# Altium PCB Waffling60-MX.PcbDoc (part 2 of 3) (continued)
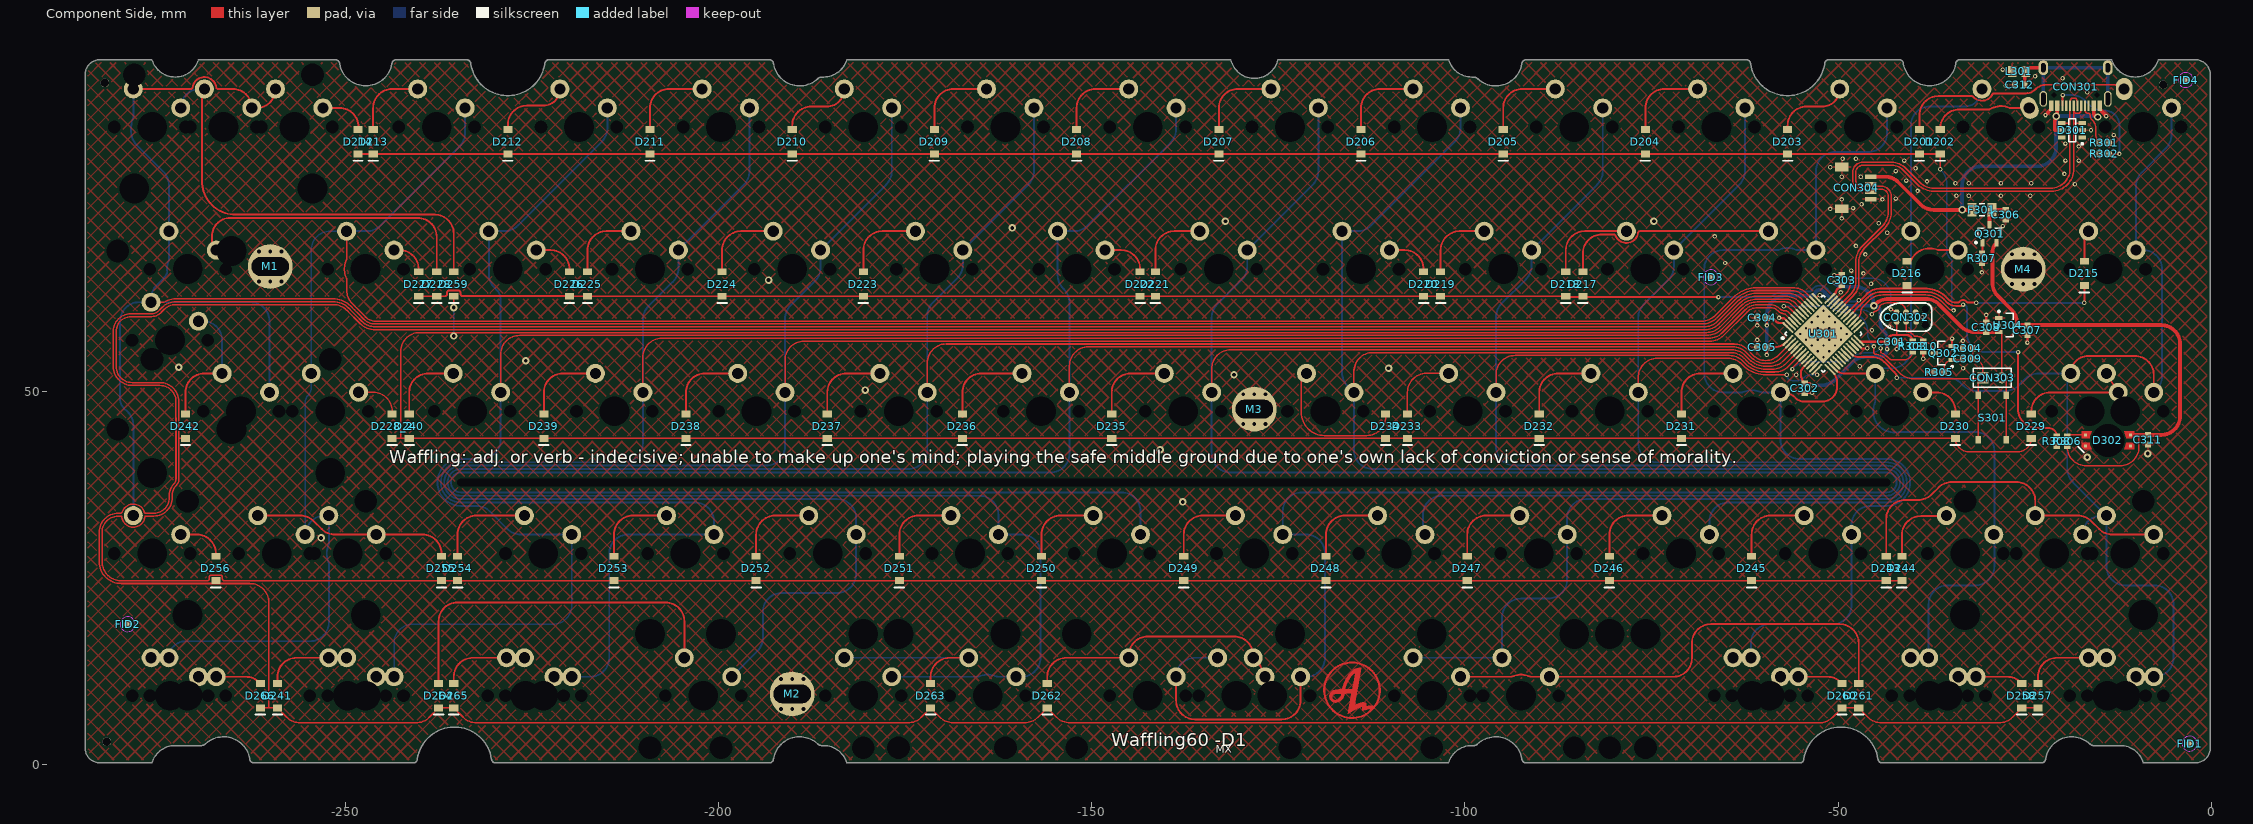
[diagram p0: Component Side view]
## Nets (pads, with @x,y where several pads share a name; then routed paths per layer and width w, separated by ;. In a path a pad name is that pad's centre, name@x,y a point inside that pad or via, vN(x,y) a via of type N, cw(c..) or ccw(c..) an arc to the next point about the centre after c; other vN are vias at no path point) (continued)
  Bottom Layer w0.254: S262.2@-145.039,14.295 S262.2@-145.039,14.478 ; S262.2@-128.363,14.295 S262.2@-128.363,14.478
NetD263_1: D263.1 S263.2 S263_1.2 | length 24.1
  Component Side w0.254: D263.1@-171.577,10.85 -171.577,11.755 cw(c-169.037,11.755) -169.037,14.295 S263.2@-166.471,14.295
  Bottom Layer w0.254: S263_1.2@-183.139,14.295 S263.2@-166.471,14.295
NetD264_1: D264.1 S264.1 | length 49
  Component Side w0.254: D264.1@-237.49,10.85 -237.49,19.177 cw(c-234.95,19.177) -234.95,21.717 -207.111,21.717 cw(c-207.111,19.177) -204.571,19.177 S264.1@-204.571,14.295
NetD265_1: D265.1 S265.2 | length 9.4
  Component Side w0.254: D265.1@-235.458,10.85 -235.458,11.755 cw(c-232.918,11.755) -232.918,14.295 S265.2@-228.383,14.295
NetD266_1: D266.1 S266.1 | length 6.2
  Component Side w0.254: S266.1@-267.277,11.755 -263.323,11.755 cw(c-263.323,9.215) -261.527,11.011 D266.1@-261.366,10.85
NetD302_4: D302.4 R306.2 R308.1 | length 4.5
  Component Side w0.254: R308.1@-20.701,42.657 -20.403,42.93 -19.602,43.684 R306.2@-19.304,43.957 cw(c-19.089,43.957) -19.089,44.172 D302.4@-16.857,44.172
NetQ301_1: Q301.1 R307.1 | length 1.5
  Component Side w0.254: R307.1@-30.734,68.468 ccw(c-30.734,68.534) -30.668,68.534 Q301.1@-30.668,69.92
NRST: C310.1 CON302.3 Q302.3 R303.2 U301.7 | length 29.1
  Component Side w0.203: v1@-56.134,52.959 v1(-56.134,52.967) -56.134,53.161 U301.7@-54.781,54.515 ; v1(-44.315,55.753) -44.315,55.692 -44.315,55.317 ccw(c-44.112,55.314) -44.196,55.129 cw(c-45.466,52.306) -43.277,54.494 -43.159,54.377 ccw(c-42.802,54.734) -42.854,54.232 ccw(c-42.802,54.734) -42.802,54.229 -41.158,54.229 ccw(c-41.158,55.357) -40.03,55.357 R303.2@-40.005,55.357 -39.682,55.655 -38.931,56.359 C310.1@-38.608,56.657 ; CON302.3@-40.894,59.309 -40.894,58.153 ccw(c-40.691,58.154) -40.717,57.953 cw(c-40.879,56.657) -40.302,57.828 cw(c-40.879,56.657) -39.796,57.386 ccw(c-39.628,57.5) -39.751,57.339 -39.37,57.339 cw(c-39.37,56.261) -38.608,57.023 C310.1@-38.608,56.657 ; Q302.3@-37.141,55.118 -37.141,55.19 ccw(c-38.608,55.19) C310.1@-38.608,56.657
  Bottom Layer w0.203: v1(-56.134,52.967) -55.859,53.242 cw(c-54.063,51.446) -54.063,53.986 -49.259,53.986 ccw(c-49.259,56.117) -48.714,54.057 ccw(c-48.767,54.253) -48.624,54.108 -48.49,54.242 ; -48.49,54.243 cw(c-46.319,52.07) -47.85,54.733 cw(c-46.319,52.07) -47.557,54.881 cw(c-46.319,52.07) -46.319,55.142 -45.593,55.142 ccw(c-45.593,56.751) -44.455,55.613 v1(-44.315,55.753)
PA0: U301.10
PA1: U301.11
PA5: U301.15
PA6: U301.16
PA7: U301.17
PA9: D215.2 D216.2 D217.2 D218.2 D219.2 D220.2 D221.2 D222.2 D223.2 D224.2 D225.2 D226.2 D227.2 D228.2 U301.30 | length 231.9
  Component Side w0.254: D227.2@-240.157,62.73 D228.2@-237.744,62.73 -236.629,62.73 ccw(c-236.629,62.984) -236.375,62.984 -236.375,63.185 cw(c-236.068,63.185) -236.068,63.492 -234.848,63.492 cw(c-234.848,63.185) -234.541,63.185 -234.541,62.992 ccw(c-234.287,62.992) -234.287,62.738 -220.447,62.738 D226.2@-219.964,62.73 D225.2@-217.551,62.73 D224.2@-199.517,62.73 D223.2@-180.594,62.73 D222.2@-143.51,62.73 D221.2@-141.478,62.73 D220.2@-105.537,62.73 D219.2@-103.251,62.73 D218.2@-86.487,62.73 -86.004,62.611 v1(-66.04,62.611) ; U301.30@-48.806,60.49 v1@-47.315,61.98 ; v1@-47.182,62.264 -46.938,62.264 -46.198,63.004 cw(c-44.402,61.208) -44.402,63.748 -38.221,63.748 cw(c-38.221,61.347) -38.008,63.739 ccw(c-37.987,63.992) -38.006,63.738 cw(c-38.28,59.834) -35.716,62.791 ; -36.704,63.417 cw(c-38.28,59.834) -35.716,62.791 ; v1(-31.496,61.849) ccw(c-31.615,61.625) -31.615,61.879 -32.585,61.879 cw(c-32.584,62.133) -32.787,61.98 ccw(c-33.274,61.618) -33.761,61.98 cw(c-33.964,62.133) -33.963,61.879 -34.006,61.879 ccw(c-34.006,61.468) -34.008,61.879 -34.255,61.879 cw(c-34.255,63.169) -35.168,62.257 -35.509,62.599 ccw(c-38.28,59.834) -35.716,62.791 ; v1(-17.018,61.849) D215.2@-17.018,64.151
  Bottom Layer w0.254: v1(-66.04,62.611) -59.124,62.611 ccw(c-59.126,62.865) -58.966,62.667 cw(c-57.008,60.268) -57.008,63.365 -53.794,63.365 ccw(c-53.795,63.619) -53.574,63.494 cw(c-52.451,62.865) -51.542,63.776 cw(c-52.451,62.865) -51.54,63.774 cw(c-52.451,62.865) -51.452,63.676 ccw(c-51.255,63.837) -51.415,63.64 cw(c-52.094,62.789) -51.326,63.56 cw(c-52.094,62.789) -51.324,63.558 cw(c-52.094,62.789) -51.323,63.557 -50.97,63.204 ; -50.969,63.203 -50.535,62.769 ; -50.534,62.768 ccw(c-48.739,64.565) -48.739,62.025 -47.515,62.025 ; v1(-31.496,61.849) v1(-17.018,61.849)
  other v1: -47.249,62.198
PA10: U301.31
PB0: U301.18
PB1: U301.19
PB4: D241.2 D256.2 D257.2 D258.2 D260.2 D261.2 D262.2 D263.2 D264.2 D265.2 D266.2 U301.40 | length 563.4
  Component Side w0.203: D266.2@-261.366,7.58 -260.223,7.58 ; -249.014,60.614 -249.538,61.138 ccw(c-251.606,59.072) -251.606,61.995 -272.709,61.995 ccw(c-272.709,59.455) -274.505,61.251 -274.848,60.908 ccw(c-274.703,60.765) -274.855,60.9 cw(c-276.02,61.925) -276.11,60.376 -278.728,60.376 ccw(c-278.728,58.034) -281.07,58.034 -281.07,53.321 ccw(c-278.53,53.321) -278.53,50.781 -274.831,50.781 cw(c-274.831,48.624) -272.674,48.624 -272.674,46.495 ccw(c-272.009,46.495) -272.672,46.446 ccw(c-272.009,46.495) -272.672,46.444 cw(c-272.874,46.428) -272.671,46.429 -272.671,45.974 -272.671,38.258 cw(c-273.589,38.258) -272.94,37.609 ccw(c-271.448,36.117) -273.143,37.374 ccw(c-271.448,36.117) -273.558,36.117 -273.558,35.748 cw(c-275.644,35.748) -274.172,34.27 cw(c-275.644,35.748) -275.644,33.662 -276.715,33.662 cw(c-276.714,33.865) -276.833,33.701 cw(c-276.714,33.865) -276.908,33.804 ccw(c-278.39,33.345) -279.854,33.859 cw(c-280.045,33.928) -279.901,33.785 -279.971,33.714 cw(c-280.115,33.858) -280.115,33.655 -280.284,33.655 -280.416,33.655 ccw(c-280.416,31.115) -282.956,31.115 -282.956,27.17 ccw(c-280.033,27.17) -280.033,24.247 -262.763,24.247 cw(c-262.763,21.707) -260.223,21.707 -260.223,7.58 ; -249.013,60.613 -248.569,60.168 -247.776,59.376 ccw(c-245.98,61.172) -247.762,59.362 ccw(c-245.98,61.172) -245.98,58.632 -67.955,58.632 ccw(c-67.955,61.172) -66.159,59.376 -63.548,61.987 cw(c-60.833,59.282) -63.538,61.997 cw(c-60.833,59.282) -62.514,62.726 ccw(c-62.604,62.908) -62.505,62.731 cw(c-61.057,60.191) -61.057,63.115 -56.69,63.115 cw(c-56.69,60.575) -54.894,62.371 U301.40@-54.074,61.55 ; -52.534,5.58 -59.309,5.58 -69.342,5.58 -104.648,5.58 -104.648,5.588 -152.912,5.588 cw(c-152.912,8.128) -154.708,6.332 D262.2@-155.956,7.58 -157.204,6.332 cw(c-159,8.128) -159,5.588 -168.533,5.588 cw(c-168.533,8.128) -170.329,6.332 D263.2@-171.577,7.58 -172.833,6.324 cw(c-174.629,8.12) -174.629,5.58 -215.265,5.58 -231.394,5.58 -232.406,5.58 cw(c-232.406,8.12) -234.202,6.324 D265.2@-235.458,7.58 D264.2@-237.49,7.58 -238.746,6.324 cw(c-240.542,8.12) -240.542,5.58 -256.028,5.58 cw(c-256.028,8.12) -257.824,6.324 D241.2@-259.08,7.58 -260.223,7.58 ; -52.534,5.58 ccw(c-52.534,8.12) -51.882,5.665 ccw(c-52.534,8.12) -51.482,5.808 ccw(c-52.534,8.12) -50.738,6.324 D260.2@-49.482,7.58 D261.2@-47.244,7.58 -45.988,6.324 ccw(c-44.192,8.12) -44.192,5.58 -28.452,5.58 ccw(c-28.452,8.12) -26.656,6.324 D258.2@-25.4,7.58 D257.2@-23.241,7.58
PB5: D242.2 D243.2 D244.2 D245.2 D246.2 D247.2 D248.2 D249.2 D250.2 D251.2 D252.2 D253.2 D254.2 D255.2 U301.41 | length 522.6
  Component Side w0.203: -277.022,32.613 cw(c-278.39,33.345) -279.922,33.102 ccw(c-280.123,33.069) -280.122,33.272 -280.416,33.272 ccw(c-280.416,31.115) -282.573,31.115 -282.573,27.17 ccw(c-280.033,27.17) -280.033,24.63 -268.43,24.63 ccw(c-268.43,24.833) -268.227,24.833 -268.227,25.085 cw(c-267.945,25.085) -267.945,25.367 -266.725,25.367 cw(c-266.725,25.085) -266.443,25.085 -266.443,24.833 ccw(c-266.24,24.833) -266.24,24.63 D255.2@-237.109,24.63 D254.2@-234.95,24.63 D253.2@-213.995,24.63 D252.2@-194.945,24.63 D251.2@-175.768,24.63 D250.2@-156.718,24.63 D249.2@-137.668,24.63 D248.2@-118.618,24.63 D247.2@-99.695,24.63 D246.2@-80.645,24.63 D245.2@-61.595,24.63 D243.2@-43.561,24.63 D244.2@-41.468,24.63 ; -277.022,32.614 ccw(c-278.39,33.345) -276.855,33.121 cw(c-276.654,33.09) -276.728,33.279 -275.644,33.279 ccw(c-275.644,35.748) -274.229,33.724 ccw(c-275.644,35.748) -273.175,35.748 -273.175,36.117 cw(c-271.448,36.117) -272.669,37.338 ccw(c-273.589,38.258) -272.288,38.258 -272.288,43.68 ; D242.2@-271.909,43.841 -271.907,43.841 D242.2@-271.399,43.68 -272.288,43.68 ; U301.41@-54.427,61.197 -55.218,61.987 ccw(c-57.014,60.191) -57.014,62.731 -61.057,62.731 ccw(c-61.057,60.191) -62.325,62.393 cw(c-62.425,62.569) -62.336,62.387 ccw(c-60.833,59.282) -63.268,61.725 ccw(c-60.833,59.282) -63.277,61.717 -66,58.993 cw(c-67.797,60.789) -67.797,58.249 -245.98,58.249 cw(c-245.98,61.172) -248.045,59.103 cw(c-245.98,61.172) -248.048,59.106 -248.522,59.58 -249.284,60.342 -249.81,60.868 ccw(c-251.606,59.072) -251.606,61.612 -272.709,61.612 ccw(c-272.709,59.455) -274.235,60.979 -274.568,60.645 ccw(c-274.424,60.502) -274.575,60.638 cw(c-276.02,61.925) -276.116,59.993 ccw(c-276.125,59.79) -276.124,59.993 -278.728,59.993 ccw(c-278.728,58.034) -279.972,59.547 ccw(c-279.843,59.39) -279.986,59.535 -280.229,59.292 ccw(c-280.084,59.149) -280.241,59.279 ccw(c-278.728,58.034) -280.687,58.034 -280.687,53.321 ccw(c-278.53,53.321) -280.165,51.915 ccw(c-280.012,52.048) -280.157,51.905 -279.946,51.694 ccw(c-279.803,51.839) -279.937,51.686 ccw(c-278.53,53.321) -278.53,51.164 -274.831,51.164 cw(c-274.831,48.624) -272.291,48.624 -272.291,46.495 ccw(c-272.009,46.495) -272.29,46.474 cw(c-272.874,46.428) -272.289,46.464 -272.288,46.452 cw(c-272.491,46.44) -272.288,46.44 -272.288,43.68
PB6: D228_2.2 D229.2 D230.2 D231.2 D232.2 D233.2 D234.2 D235.2 D236.2 D237.2 D238.2 D239.2 D240.2 D259.2 U301.42 | length 430
  Component Side w0.203: D228_2.2@-243.713,43.68 -242.57,43.68 ; v3(-235.458,61.214) D259.2@-235.458,62.73 ; U301.42@-54.781,60.843 -55.706,61.769 ccw(c-57.105,60.37) -57.105,62.348 -60.833,62.348 ccw(c-60.833,59.282) -62.998,61.454 ccw(c-60.833,59.282) -63.005,61.447 -65.842,58.61 cw(c-67.638,60.406) -67.638,57.866 -70.104,57.866 -188.341,57.866 -189.096,57.866 -196.849,57.866 ccw(c-196.852,57.662) -196.852,57.866 -231.267,57.866 -240.03,57.866 ccw(c-240.03,55.326) -242.57,55.326 -242.57,43.68 ; D229.2@-24.13,43.68 cw(c-25.9,43.68) -25.9,41.91 -32.52,41.91 cw(c-32.52,43.68) D230.2@-34.29,43.68 D231.2@-70.993,43.68 D232.2@-90.043,43.68 D235.2@-147.32,43.68 D236.2@-167.32,43.68 D237.2@-185.42,43.68 D238.2@-204.343,43.68 D239.2@-223.393,43.68 D240.2@-241.427,43.68 -242.57,43.68
  Bottom Layer w0.203: v3(-235.458,57.404) v3(-235.458,61.214)
PB10: U301.21
PB11: U301.22
PB12: U301.25
PB13: U301.26
PB14: D201.2 D202.2 D203.2 D204.2 D205.2 D206.2 D207.2 D208.2 D209.2 D210.2 D211.2 D212.2 D213.2 D214.2 U301.27 | length 249.2
  Component Side w0.203: U301.27@-47.745,59.429 -47.269,59.905 ccw(c-47.944,60.579) -46.99,60.579 cw(c-45.924,60.579) -46.678,61.333 -45.849,62.161 cw(c-44.053,60.365) -44.053,62.905 -38.28,62.905 cw(c-38.28,59.834) -36.108,62.006 -35.936,61.834 -35.765,61.662 ccw(c-34.255,63.169) -35.761,61.659 -35.212,61.11 ccw(c-34.544,61.777) v1(-34.544,60.833)
  Component Side w0.254: D214.2@-248.285,81.78 D213.2@-246.253,81.78 D212.2@-228.219,81.78 D211.2@-209.169,81.78 D210.2@-190.119,81.78 D209.2@-171.069,81.78 D208.2@-152.019,81.78 D207.2@-132.969,81.78 D206.2@-113.919,81.78 D205.2@-94.869,81.78 D204.2@-75.819,81.78 D203.2@-56.769,81.78 D201.2@-39.116,81.78 D202.2@-36.322,81.78 v1(-36.322,79.756)
  Bottom Layer w0.203: v1(-36.322,79.756) -36.209,79.643 cw(c-38.005,77.847) -35.465,77.847 -35.465,68.981 cw(c-35.668,68.982) -35.465,68.975 ; -35.465,68.833 cw(c-33.915,68.905) -35.465,68.974 ; v1(-34.544,60.833) cw(c-33.931,61.446) -34.798,61.446 -34.798,67.528 ccw(c-35.001,67.527) -34.875,67.686 cw(c-33.915,68.905) -35.465,68.975
PB15: U301.28
RAW: CON301.A4B9 CON301.B4A9 CON304.1 D301.5 F301.2 | length 50
  Component Side w0.5: CON304.1@-45.625,78.75 -43.734,78.75 cw(c-43.734,76.21) -41.938,78.006 -38.971,75.039 ccw(c-37.175,76.835) -37.175,74.295 v4(-33.401,74.295) F301.2@-32.084,74.295 ; CON301.B4A9@-20.6,88.3 CON301.B4A9@-20.65,88.25 -20.65,87.166 -20.811,87.005 v4(-20.811,86.87) -20.811,86.712 cw(c-21.311,86.714) -20.898,86.432 ccw(c-20.544,86.188) -20.974,86.188 -20.974,84.963 D301.5@-20.044,84.963 ; CON301.A4B9@-15.75,88.25 -15.75,87.251 ccw(c-15.24,87.251) v4(-15.24,86.741)
  Bottom Layer w0.5: v4(-33.401,74.295) -33.401,77.597 cw(c-30.861,77.597) -30.861,80.137 -23.351,80.137 ccw(c-23.351,82.677) -20.811,82.677 v4(-20.811,86.87) -15.369,86.87 cw(c-15.369,86.741) v4(-15.24,86.741)
SWCLK: CON302.4 U301.37 | length 14.2
  Component Side w0.203: U301.37@-53.013,62.611 -52.96,62.558 -52.896,62.558 v1@-52.665,62.789 ; v1(-45.477,60.325) -45.257,60.545 ccw(c-45.672,60.96) -45.194,60.619 cw(c-45.029,60.5) -45.068,60.7 ccw(c-45.212,61.468) -44.66,60.914 ccw(c-45.212,61.468) -44.436,61.375 cw(c-44.234,61.35) -44.345,61.52 cw(c-43.254,59.834) -43.254,61.842 -42.157,61.842 cw(c-42.157,60.579) CON302.4@-40.894,60.579
  Bottom Layer w0.203: v1(-52.451,62.865) -52.26,62.865 cw(c-52.261,62.662) -52.133,62.819 ccw(c-51.476,63.615) -52.104,62.796 cw(c-52.228,62.636) -52.095,62.789 cw(c-52.228,62.636) -52.084,62.779 -51.84,62.534 -51.742,62.437 ; -51.741,62.436 ccw(c-51.008,63.162) -51.735,62.43 -51.427,62.122 cw(c-51.696,61.849) -51.426,62.121 cw(c-51.696,61.849) -51.425,62.119 cw(c-51.696,61.849) -51.424,62.118 -51.305,61.999 ccw(c-48.739,64.565) -51.302,61.997 ccw(c-48.739,64.565) -48.739,60.936 -46.953,60.936 cw(c-46.953,58.849) v1(-45.477,60.325)
SWDIO: CON302.2 U301.34 | length 14.4
  Component Side w0.203: U301.34@-50.146,61.934 cw(c-50.22,62.008) U301.34@-50.22,61.904 -49.459,62.664 -49.416,62.664 ; U301.34@-50.146,61.935 -49.416,62.664 ; v1@-48.377,64.987 ccw(c-48.184,64.924) -48.387,64.924 -48.387,64.421 cw(c-50.144,64.421) -48.902,63.179 -49.416,62.664 ; v1(-42.926,60.96) -42.85,60.884 -42.628,60.884 -42.323,60.579 CON302.2@-42.164,60.579
  Bottom Layer w0.203: v1(-48.379,65.151) -45.466,65.151 cw(c-45.466,62.611) -42.926,62.611 v1(-42.926,60.96)
VCC: C307.2 C311.2 D302.1 Q301.2 R306.1 U304.3 | length 67.9
  Component Side w0.203: R306.1@-19.304,42.657 -19.304,42.545 ccw(c-16.764,42.545) -16.764,40.005 -12.245,40.005 ccw(c-12.245,42.545) -9.705,42.545 -9.705,44.172
  Component Side w0.5: Q301.2@-28.768,69.92 ccw(c-27.394,68.546) -29.337,68.546 -29.337,64.552 ccw(c-26.797,64.552) -28.593,62.756 -26.807,60.97 cw(c-28.603,59.174) -26.063,59.174 U304.3@-26.063,58.871 -6.731,58.871 cw(c-6.731,56.331) -4.191,56.331 -4.191,46.69 cw(c-6.731,46.69) -6.731,44.15 C311.2@-8.5,44.15 ccw(c-8.553,44.097) -8.553,44.172 -9.705,44.172 D302.1@-10.857,44.172 -11.107,44.172
VCC3V3: C301.2 C302.2 C303.2 C304.2 C305.2 C308.2 CON302.1 CON303.2 R303.1 S301.1 U301.1 U301.9 U301.24 U301.36 U301.48 U304.2 | length 108
  Component Side w0.203: -42.291,57.531 ccw(c-42.291,57.658) -42.164,57.658 CON302.1@-42.164,59.309 ; U304.2@-28.463,57.921 cw(c-28.463,57.525) -28.067,57.525 CON303.2@-28.067,51.816 cw(c-28.067,51.211) -27.462,51.211 S301.1@-27.462,49.482 S301.1@-27.462,43.482
  Component Side w0.3: v1(-59.563,54.872) -59.563,55.865 C305.2@-59.548,55.88 -58.71,55.88 ccw(c-58.71,58.42) -56.914,56.624 U301.1@-56.902,56.636 ; v1(-59.548,58.824) C304.2@-59.548,59.817 -59.172,59.817 cw(c-59.172,58.926) -58.542,59.556 -58.328,59.342 ; C304.2@-59.546,59.817 C304.2@-59.298,59.809 ; -58.328,59.342 ccw(c-57.812,59.858) -57.812,59.128 -57.309,59.128 U301.48@-56.902,58.722 ; U301.9@-54.074,53.808 -54.68,53.201 ccw(c-53.931,52.451) -54.991,52.451 -54.991,52.295 ccw(c-53.257,52.295) C302.2@-54.483,51.069 -53.781,51.069 -53.512,50.8 v1(-53.467,50.8) ; U301.36@-50.927,62.611 -50.363,63.175 ccw(c-50.576,63.386) -50.28,63.34 cw(c-49.657,63.246) -49.783,63.863 ccw(c-49.845,64.157) -49.665,63.917 -49.665,63.997 C303.2@-49.53,64.247 ccw(c-50.179,63.598) -50.179,64.516 v1(-50.546,64.516) ; U301.24@-47.038,56.636 -47.032,56.642 C301.2@-43.449,56.642 ; v1(-43.449,55.649) C301.2@-43.449,56.642 ; R303.1@-40.005,56.657 ccw(c-40.879,56.657) -40.879,57.531 -42.291,57.531 -42.56,57.531 ccw(c-42.56,56.642) C301.2@-43.449,56.642
  Component Side w0.5: v3(-45.212,61.468) -45.05,61.63 cw(c-43.254,59.834) -43.254,62.374 -38.28,62.374 cw(c-38.28,59.834) -36.484,61.63 -33.537,58.683 ccw(c-31.741,60.479) -31.741,57.939 C308.2@-30.169,57.939 ; C308.2@-30.169,57.921 U304.2@-28.463,57.921
  Bottom Layer w0.5: v1(-59.563,54.872) -59.556,54.879 -59.556,58.816 v1(-59.548,58.824) -59.548,60.268 cw(c-57.008,60.268) -59.4,61.123 cw(c-57.008,60.268) -57.864,62.659 cw(c-57.008,60.268) -57.008,62.808 -53.597,62.808 ccw(c-53.599,63.308) -53.132,63.127 cw(c-52.451,62.865) -51.936,63.382 cw(c-52.451,62.865) -51.934,63.38 cw(c-52.451,62.865) -51.871,63.309 ccw(c-51.476,63.615) -51.777,63.215 cw(c-52.094,62.789) -51.719,63.165 ; v1(-53.467,50.8) -52.233,50.8 ccw(c-52.233,53.34) -50.437,51.544 -48.115,53.866 cw(c-46.319,52.07) -46.319,54.61 -44.488,54.61 ccw(c-44.488,55.649) -44.134,54.672 ccw(c-44.488,55.649) -43.511,55.295 ccw(c-44.488,55.649) v1(-43.449,55.649) -43.449,56.978 ccw(c-45.007,56.978) -43.905,58.079 cw(c-42.804,59.181) -44.361,59.181 -44.361,60.617 ccw(c-45.212,60.617) v3(-45.212,61.468) ; -51.718,63.164 -51.363,62.81 ccw(c-51.008,63.162) -51.36,62.807 -50.928,62.375 ccw(c-48.739,64.565) -50.927,62.373 ccw(c-48.739,64.565) -48.739,61.468 v3(-45.212,61.468) ; v1(-50.546,64.516) ccw(c-49.32,65.742) -49.32,64.008 -47.752,64.008 cw(c-47.752,61.468) -46.414,63.627 cw(c-47.752,61.468) -45.308,62.159 cw(c-47.752,61.468) v3(-45.212,61.468)
pads on no net: CON301. CON301.A8 CON301.B8 CON302.0 CON302.6 D301.1 D301.6 D302. D302.2 FID1.0 FID2.0 FID3.0 FID4.0 S201. S202. S203. S204. S205. S206. S207. S208. S209. S210. S211. S212. S213. S214. S215. S216. S217. S218. S219. S220. S221. S222. S223. S224. S225. S226. S227. S228. S228_2. S229. S230. S231. S232. S233. S234. S235. S236. S237. S238. S239. S240. S241. S242. S243. S244. S245. S246. S247. S248. S249. S250. S251. S252. S253. S254. S256. S257. S258. S259. S260. S261. S261_1. S262. S263. S263_1. S264. S265. S266. S269. STAB1.
copper on no net: | length 0.8
  Component Side w0.254: -222.033,11.755 -221.463,12.325

## Polygon pours and split planes (outlines as drawn)
GND on Component Side "Component Side-No Net" (hatched 45Degree grid 1.397 track 0.203, remove dead copper, pour order 1): -0.635,93.995 -0.635,0.65 -284.607,0.65 -284.607,93.995
GND on Bottom Layer "Component Side-No Net" (hatched 45Degree grid 1.397 track 0.203, remove dead copper, pour order 0): -0.599,94.203 -0.599,0.858 -284.571,0.858 -284.571,94.203

## Other copper
Component Side:
  pour cut-out: -285.3,2.215 ccw(c-282.85,2.215) -282.85,-0.235 ccw(c-282.85,0.215) -282.4,0.215 ccw(c-282.85,0.215) -282.85,0.665 cw(c-282.85,2.215) -284.4,2.215 ccw(c-284.85,2.215)
  region net GND: 1746 vertices and 2 holes, not listed, extent -118.148,6.82 -112.236,12.959
Bottom Layer:
  pour cut-out: -285.3,2.215 ccw(c-282.85,2.215) -282.85,-0.235 ccw(c-282.85,0.215) -282.4,0.215 ccw(c-282.85,0.215) -282.85,0.665 cw(c-282.85,2.215) -284.4,2.215 ccw(c-284.85,2.215)

## Silkscreen, mask and mechanical layers (free items; w line width, h text height)
Top Overlay:
  text "Waffling: adj. or verb - indecisive; unable to make up one's mind; playing the safe middle ground due to one's own lack of conviction or sense of morality." at -244.094,39.751 h2.9
  text "Waffling60 -D1" at -147.401,1.815 h3
  text "MX" at -133.35,1.27 h1.75
Bottom Overlay:
  circle w0.4: c-14.097,5.207 r0.75
  circle w0.4: c-37.909,5.207 r0.75
  circle w0.4: c-61.721,5.207 r0.75
  circle w0.4: c-142.684,5.207 r0.75
  circle w0.4: c-271.271,5.207 r0.75
  circle w0.4: c-247.459,5.207 r0.75
  circle w0.4: c-223.646,5.207 r0.75
  circle w0.4: c-45.662,19.883 r0.75
  circle w0.4: c-64.712,19.883 r0.75
  lines w0.2: -240.284,17.653 -214.122,17.653 ; -234.397,20.391 -232.029,20.391 ; -222.559,20.391 -220.191,20.391 ; -69.537,17.145 -41.537,17.145 ; -62.185,19.883 -59.817,19.883 ; -50.347,19.883 -47.979,19.883 ; -235.104,20.391 -234.397,21.098 -234.397,19.684 -235.104,20.391 ; -220.191,19.684 -219.484,20.391 -220.191,21.098 -220.191,19.684 ; -62.892,19.883 -62.185,19.176 -62.185,20.59 -62.892,19.883 ; -47.979,19.176 -47.979,20.59 -47.272,19.883 -47.979,19.176
  text "< 10U" at -209.406,20.066 h1.52 r270
  text "< 7U" at -200.008,20.066 h1.52 r270
  text "< 6.25U" at -181.212,20.066 h1.52 r270
  text "< 2.75U" at -176.259,20.066 h1.52 r270
  text "< 3U" at -162.035,20.066 h1.52 r270
  text "< 2.75U" at -152.51,20.066 h1.52 r270
  text "< 2.25U" at -104.885,20.066 h1.52 r270
  text "< 7U" at -85.708,20.066 h1.52 r270
  text "< 10U" at -76.183,20.066 h1.52 r270
  text "< 3U" at -123.935,19.939 h1.52 r270
  text "< 6.25U" at -81.009,19.939 h1.52 r270
  text "x" at -237.725,19.704 h1.75
  text "x" at -218.167,19.704 h1.75
  text "X shows 6.25U space with 1.25U mods" at -214.63,18.157 h0.75
  text "Circles shows Tsangan layout, 7U space" at -41.783,17.649 h0.75
  text "< 3U" at -202.819,16.781 h1.52
  text "< 2.25U" at -80.043,15.001 h1.52 r90
  text "< 3U" at -84.737,14.874 h1.52 r90
  text "x" at -273.983,4.591 h1.75
  text "x" at -250.171,4.591 h1.75
  text "x" at -226.358,4.591 h1.75
  text "x" at -202.546,4.591 h1.75
  text "x" at -131.108,4.591 h1.75
  text "x" at -59.671,4.591 h1.75
  text "x" at -35.858,4.591 h1.75
  text "x" at -12.046,4.591 h1.75
Top Solder:
  drawing of 2 lines, arcs and shapes, not listed
outline:
  lines w0.1: -131.361,94.414 ccw(c-128.211,95.149) -125.061,94.415 ; -131.361,94.415 -182.809,94.415 cw(c-185.924,95.339) -185.925,92.09 -186.179,92.09 ccw(c-186.18,91.366) -186.692,91.878 cw(c-189.125,94.471) -192.625,93.844 ccw(c-193.195,93.845) -193.196,94.415 -222.695,94.415 ccw(c-222.696,93.845) -223.266,93.844 cw(c-228.225,94.614) -233.184,93.844 ccw(c-233.754,93.845) -233.755,94.415 -243.178,94.415 ccw(c-243.179,93.845) -243.749,93.844 cw(c-247.249,94.471) -250.749,93.844 ccw(c-251.319,93.845) -251.32,94.415 -269.659,94.415 cw(c-272.775,95.341) -275.891,94.415 -282.85,94.415 ccw(c-282.849,92.414) -284.85,92.415 -284.85,39.215 -284.85,39.04 -284.85,2.215 ccw(c-282.849,2.216) -282.85,0.215 -275.891,0.215 cw(c-272.776,-0.709) -272.775,2.54 -269.318,2.54 ccw(c-269.319,3.455) -268.672,2.808 cw(c-266.3,0.158) -262.799,0.786 ccw(c-262.229,0.785) -262.228,0.215 -240.884,0.215 ccw(c-240.885,0.772) -240.328,0.771 cw(c-235.369,0.001) -230.41,0.771 ccw(c-229.853,0.772) -229.854,0.215 -193.196,0.215 ccw(c-193.195,0.785) -192.625,0.786 cw(c-189.125,0.16) -186.682,2.743 ccw(c-186.19,3.237) -186.193,2.54 -185.925,2.54 cw(c-185.924,-0.709) -182.809,0.215 -102.203,0.215 ; -125.061,94.415 -102.191,94.415 ccw(c-99.076,95.339) -99.075,92.09 -98.849,92.09 cw(c-98.85,91.29) -98.285,91.856 ccw(c-95.875,94.471) -92.375,93.844 cw(c-91.805,93.845) -91.804,94.415 -62.305,94.415 cw(c-62.304,93.845) -61.734,93.844 ccw(c-56.775,94.615) -51.816,93.844 cw(c-51.246,93.845) -51.245,94.415 -41.822,94.415 cw(c-41.821,93.845) -41.251,93.844 ccw(c-37.751,94.471) -34.251,93.844 cw(c-33.681,93.845) -33.68,94.415 -13.341,94.415 ccw(c-10.225,95.341) -7.109,94.415 -2.15,94.415 cw(c-2.151,92.414) -0.15,92.415 -0.15,39.04 -0.15,2.215 cw(c-2.151,2.216) -2.15,0.215 -9.109,0.215 ccw(c-12.224,-0.709) -12.225,2.54 -15.8,2.54 cw(c-15.799,3.155) -16.234,2.72 ccw(c-18.701,0.16) -22.201,0.786 cw(c-22.771,0.785) -22.772,0.215 -44.116,0.215 cw(c-44.115,0.772) -44.672,0.771 ccw(c-49.631,0.001) -54.59,0.771 cw(c-55.147,0.772) -55.146,0.215 -91.804,0.215 cw(c-91.805,0.785) -92.375,0.786 ccw(c-95.875,0.159) -98.32,2.741 cw(c-98.832,3.253) -98.833,2.529 -99.087,2.529 ccw(c-99.088,-0.72) -102.203,0.204
Mechanical 2:
  circle w0.013: c-9.15,85.415 r1.994
  lines w0.013: -260.431,65.115 cw(c-260.431,66.365) -260.431,67.615 -257.931,67.615 cw(c-257.931,66.365) -257.931,65.115 -260.431,65.115 ; -232.987,36.996 cw(c-232.987,37.79) -232.987,38.584 -42.487,38.584 cw(c-42.487,37.79) -42.487,36.996 -232.987,36.996 ; -191.433,8.092 cw(c-191.433,9.342) -191.433,10.592 -188.933,10.592 cw(c-188.933,9.342) -188.933,8.092 -191.433,8.092 ; -129.463,46.065 cw(c-129.463,47.315) -129.463,48.565 -126.963,48.565 cw(c-126.963,47.315) -126.963,46.065 -129.463,46.065 ; -27.037,65.115 cw(c-27.037,66.365) -27.037,67.615 -24.537,67.615 cw(c-24.537,66.365) -24.537,65.115 -27.037,65.115
  lines w0.1: -102.203,0.204 cw(c-99.088,-0.72) -99.087,2.529 -98.833,2.529 ccw(c-98.832,3.253) -98.32,2.741 cw(c-95.875,0.159) -92.375,0.786 ccw(c-91.805,0.785) -91.804,0.215 -55.146,0.215 ccw(c-55.147,0.772) -54.59,0.771 cw(c-49.631,0.001) -44.672,0.771 ccw(c-44.115,0.772) -44.116,0.215 -22.772,0.215 ccw(c-22.771,0.785) -22.201,0.786 cw(c-18.701,0.16) -16.234,2.72 ccw(c-15.799,3.155) -15.8,2.54 -12.225,2.54 cw(c-12.224,-0.709) -9.109,0.215 -2.15,0.215 ccw(c-2.151,2.216) -0.15,2.215 -0.15,36.543 cw(c-0.241,37.79) -0.241,36.54 -4.241,36.54 cw(c-4.241,37.79) -4.241,39.04 -0.241,39.04 cw(c-0.241,37.79) -0.15,39.037 -0.15,39.215 -0.15,92.415 ccw(c-2.151,92.414) -2.15,94.415 -7.109,94.415 cw(c-10.225,95.341) -13.341,94.415 -33.68,94.415 ccw(c-33.681,93.845) -34.251,93.844 cw(c-37.751,94.471) -41.251,93.844 ccw(c-41.821,93.845) -41.822,94.415 -51.245,94.415 ccw(c-51.246,93.845) -51.816,93.844 cw(c-56.775,94.615) -61.734,93.844 ccw(c-62.304,93.845) -62.305,94.415 -91.804,94.415 ccw(c-91.805,93.845) -92.375,93.844 cw(c-95.875,94.471) -98.285,91.856 ccw(c-98.85,91.29) -98.849,92.09 -99.075,92.09 cw(c-99.076,95.339) -102.191,94.415 -182.809,94.415 cw(c-185.924,95.339) -185.925,92.09 -186.179,92.09 ccw(c-186.18,91.366) -186.692,91.878 cw(c-189.125,94.471) -192.625,93.844 ccw(c-193.195,93.845) -193.196,94.415 -222.695,94.415 ccw(c-222.696,93.845) -223.266,93.844 cw(c-228.225,94.614) -233.184,93.844 ccw(c-233.754,93.845) -233.755,94.415 -243.178,94.415 ccw(c-243.179,93.845) -243.749,93.844 cw(c-247.249,94.471) -250.749,93.844 ccw(c-251.319,93.845) -251.32,94.415 -269.659,94.415 cw(c-272.775,95.341) -275.891,94.415 -282.85,94.415 ccw(c-282.849,92.414) -284.85,92.415 -284.85,39.215 -284.85,39.037 cw(c-284.759,37.79) -284.759,39.04 -280.759,39.04 cw(c-280.759,37.79) -280.759,36.54 -284.759,36.54 cw(c-284.759,37.79) -284.85,36.543 -284.85,2.215 ccw(c-282.849,2.216) -282.85,0.215 -275.891,0.215 cw(c-272.776,-0.709) -272.775,2.54 -269.318,2.54 ccw(c-269.319,3.455) -268.672,2.808 cw(c-266.3,0.158) -262.799,0.786 ccw(c-262.229,0.785) -262.228,0.215 -240.884,0.215 ccw(c-240.885,0.772) -240.328,0.771 cw(c-235.369,0.001) -230.41,0.771 ccw(c-229.853,0.772) -229.854,0.215 -193.196,0.215 ccw(c-193.195,0.785) -192.625,0.786 cw(c-189.125,0.16) -186.682,2.743 ccw(c-186.19,3.237) -186.193,2.54 -185.925,2.54 cw(c-185.924,-0.709) -182.809,0.215 -102.203,0.215